# KiCad board mse-68-vhdci-panel.kicad_pcb
title: Squishy - SCSI LVD/MSE/SE VHDCI Connector Module; date: 2024-09-17; rev: 1; company: Shrine Maiden Heavy Industries; note: License: CERN-OHL-S; note: © 2024 Aki 'lethalbit' Van Ness, et. al.; note: No warranty expressed or implied; note: Squishy - SCSI Multitool
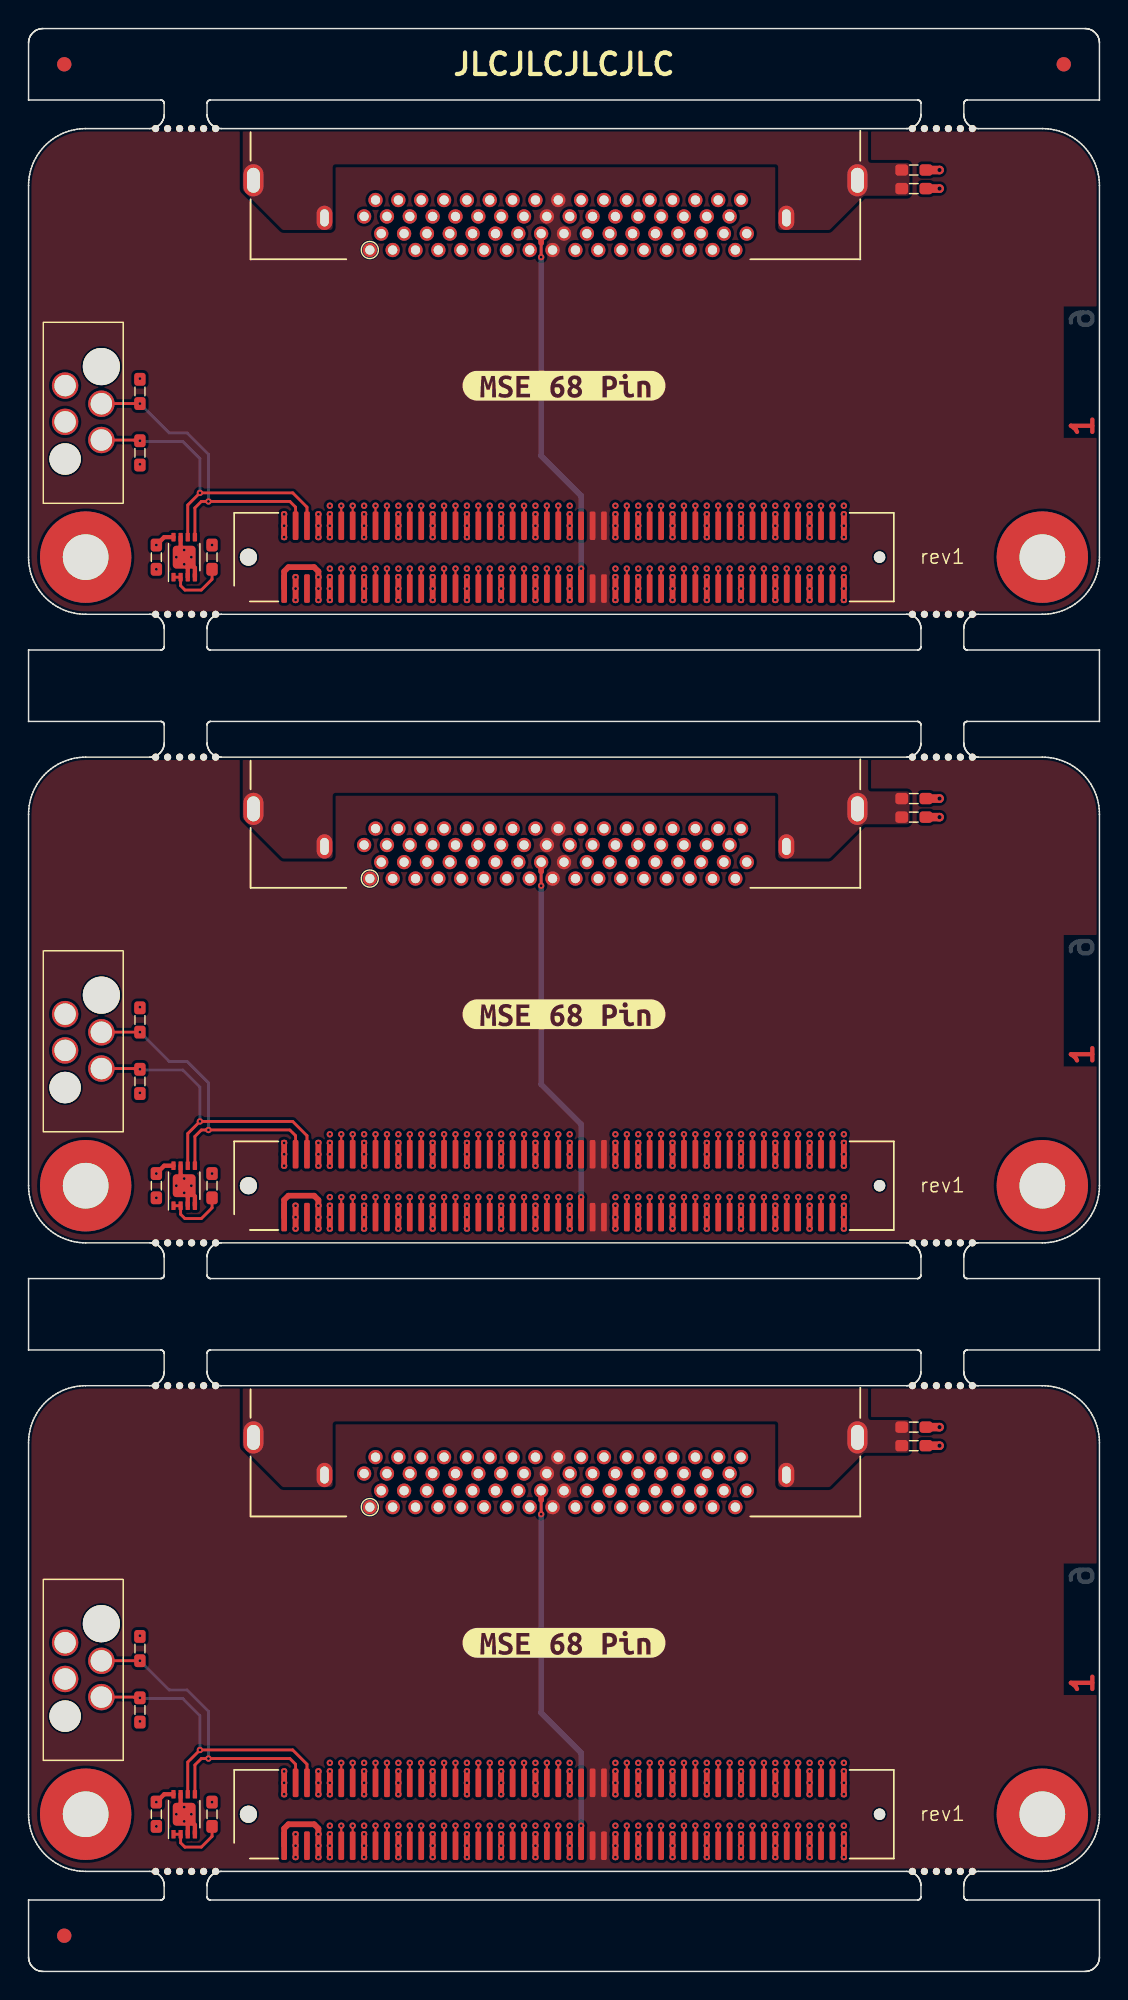
[diagram p0: board, top side]
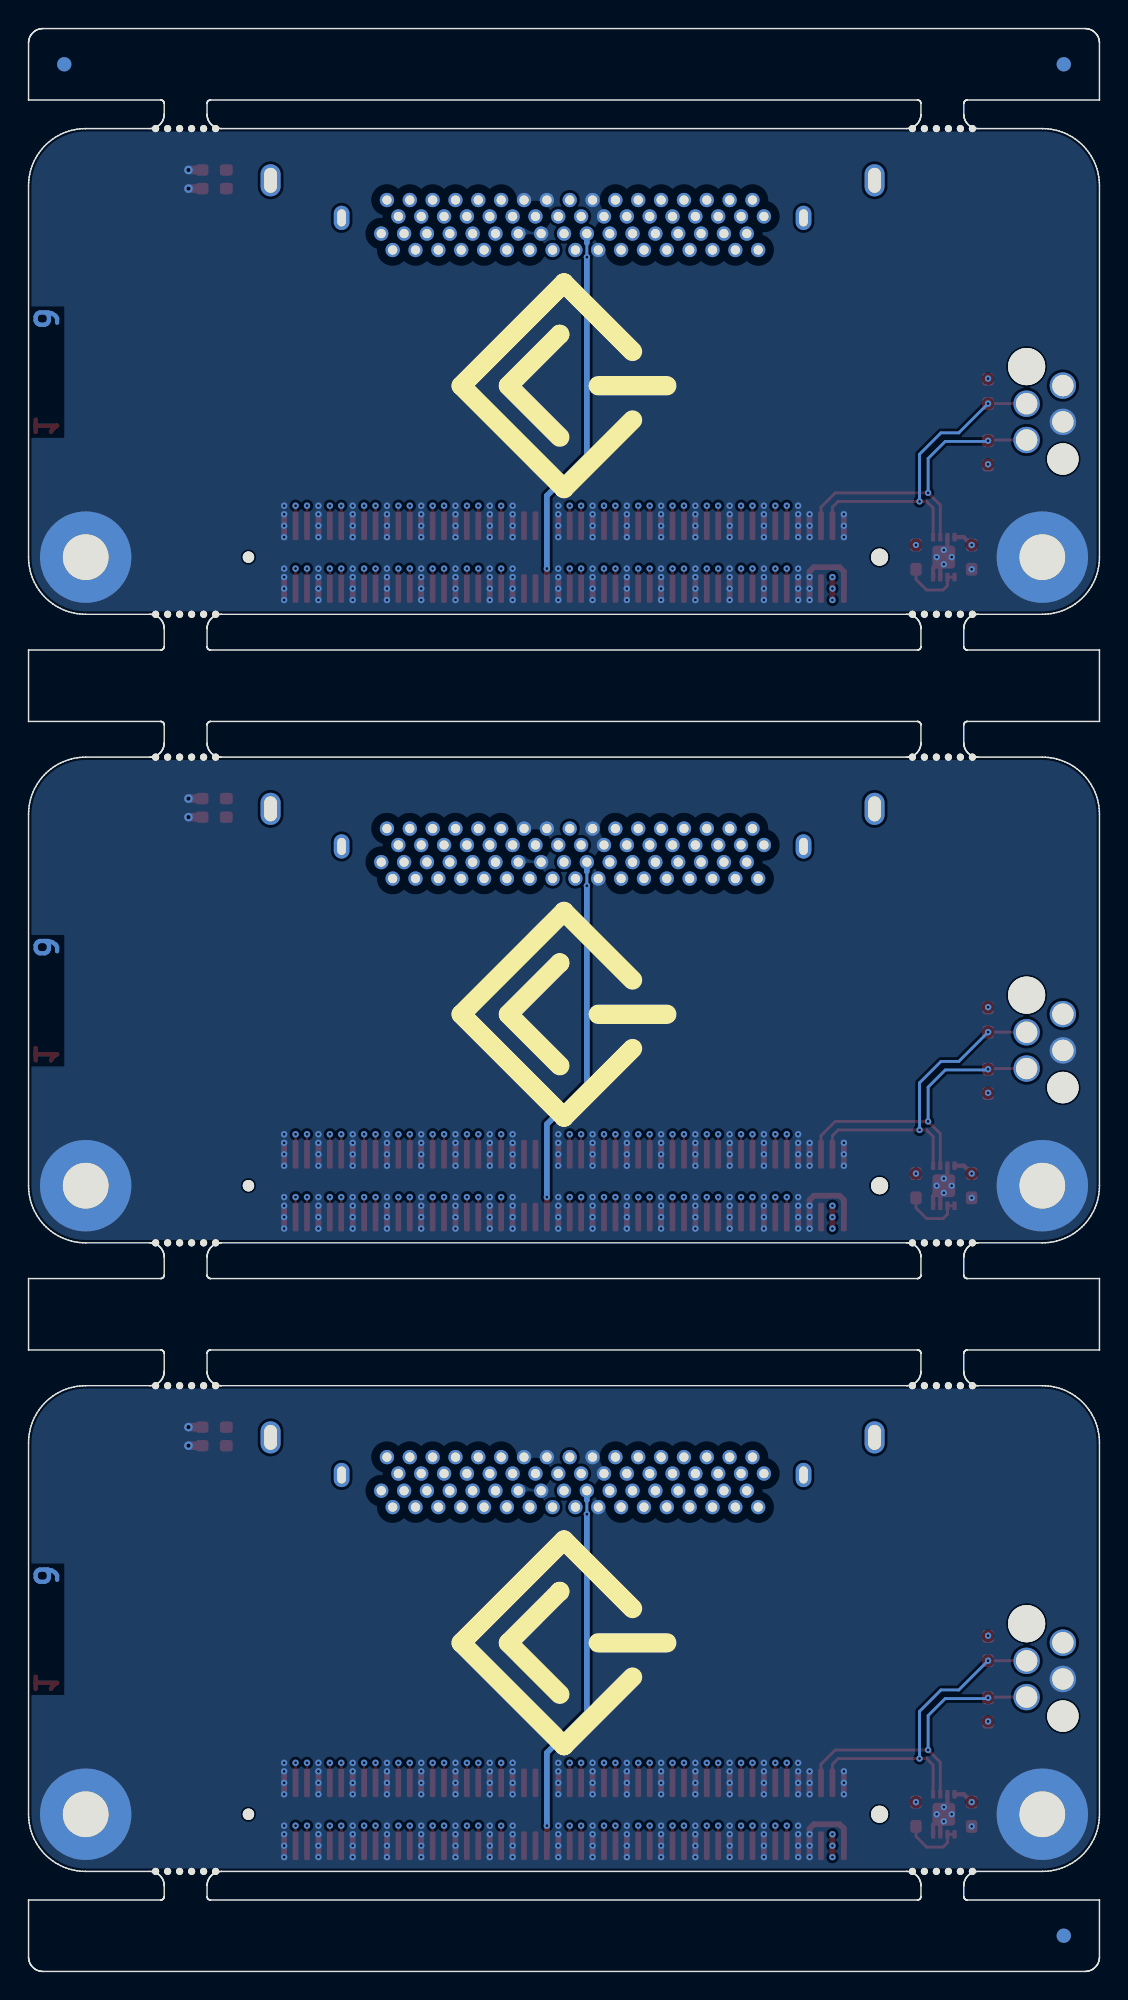
[diagram p1: board, bottom side, seen from below]

Outline 75 x 136 mm; copper layers: Top, In1.Cu, In2.Cu, In3.Cu, In4.Cu, Bottom. Coordinates in mm from the lower left corner of the outline.
Stack: Top 0.035mm / dielectric 0.2104mm FR4 er 4.4 / In1.Cu 0.0152mm / dielectric 0.4mm FR4 er 4.5 / In2.Cu 0.0152mm / dielectric 0.2028mm FR4 er 4.4 / In3.Cu 0.0152mm / dielectric 0.4mm FR4 er 4.6 / In4.Cu 0.0152mm / dielectric 0.2104mm FR4 er 4.4 / Bottom 0.035mm

## Placement (name value [footprint] x y rotation side)
C1  100n  [C0603]  8.95 11 90 top
C1#2  100n  [C0603]  8.95 99 90 top
C1#3  100n  [C0603]  8.95 55 90 top
C2  100n  [C0603]  62 38.1 180 top
C2#2  100n  [C0603]  62 126.1 180 top
C2#3  100n  [C0603]  62 82.1 180 top
H3  MountingHole  [MountingHole_3.2mm_M3_Pad]  4 11 0 top
H3#2  MountingHole  [MountingHole_3.2mm_M3_Pad]  4 99 0 top
H3#3  MountingHole  [MountingHole_3.2mm_M3_Pad]  4 55 0 top
H4  MountingHole  [MountingHole_3.2mm_M3_Pad]  71 11 0 top
H4#2  MountingHole  [MountingHole_3.2mm_M3_Pad]  71 99 0 top
H4#3  MountingHole  [MountingHole_3.2mm_M3_Pad]  71 55 0 top
J1  SCSI PHY Mezz  [1014457-10x80xLF]  37.5 11 180 top
J1#2  SCSI PHY Mezz  [1014457-10x80xLF]  37.5 99 180 top
J1#3  SCSI PHY Mezz  [1014457-10x80xLF]  37.5 55 180 top
J3  Conn_01x04  [490107670412-d]  2.56 111.01 90 top
J3#2  Conn_01x04  [490107670412-d]  2.56 67.01 90 top
J3#3  Conn_01x04  [490107670412-d]  2.56 23.01 90 top
J4  5796055-1  [5796055]  37.5 34.29 180 top
J4#2  5796055-1  [5796055]  37.5 122.29 180 top
J4#3  5796055-1  [5796055]  37.5 78.29 180 top
kibuzzard-672C6177  G***  [kibuzzard-672C6177]  37.5 67 0 top
kibuzzard-672C6177#2  G***  [kibuzzard-672C6177]  37.5 23 0 top
kibuzzard-672C6177#3  G***  [kibuzzard-672C6177]  37.5 111 0 top
KiKit_FID_B_1  -  [Fiducial]  2.5 133.5 0 bottom
KiKit_FID_B_2  -  [Fiducial]  72.5 133.5 0 bottom
KiKit_FID_B_3  -  [Fiducial]  2.5 2.5 0 bottom
KiKit_FID_T_1  -  [Fiducial]  2.5 133.5 0 top
KiKit_FID_T_2  -  [Fiducial]  72.5 133.5 0 top
KiKit_FID_T_3  -  [Fiducial]  2.5 2.5 0 top
KiKit_MB_1_1  -  [NPTH]  66.1 95 0 top
KiKit_MB_1_2  -  [NPTH]  65.26 95 0 top
KiKit_MB_1_3  -  [NPTH]  64.42 95 0 top
KiKit_MB_1_4  -  [NPTH]  63.58 95 0 top
KiKit_MB_1_5  -  [NPTH]  62.74 95 0 top
KiKit_MB_1_6  -  [NPTH]  61.9 95 0 top
KiKit_MB_2_1  -  [NPTH]  8.9 129 0 top
KiKit_MB_2_2  -  [NPTH]  9.74 129 0 top
KiKit_MB_2_3  -  [NPTH]  10.58 129 0 top
KiKit_MB_2_4  -  [NPTH]  11.42 129 0 top
KiKit_MB_2_5  -  [NPTH]  12.26 129 0 top
KiKit_MB_2_6  -  [NPTH]  13.1 129 0 top
KiKit_MB_3_1  -  [NPTH]  61.9 129 0 top
KiKit_MB_3_2  -  [NPTH]  62.74 129 0 top
KiKit_MB_3_3  -  [NPTH]  63.58 129 0 top
KiKit_MB_3_4  -  [NPTH]  64.42 129 0 top
KiKit_MB_3_5  -  [NPTH]  65.26 129 0 top
KiKit_MB_3_6  -  [NPTH]  66.1 129 0 top
KiKit_MB_4_1  -  [NPTH]  13.1 95 0 top
KiKit_MB_4_2  -  [NPTH]  12.26 95 0 top
KiKit_MB_4_3  -  [NPTH]  11.42 95 0 top
KiKit_MB_4_4  -  [NPTH]  10.58 95 0 top
KiKit_MB_4_5  -  [NPTH]  9.74 95 0 top
KiKit_MB_4_6  -  [NPTH]  8.9 95 0 top
KiKit_MB_5_1  -  [NPTH]  66.1 51 0 top
KiKit_MB_5_2  -  [NPTH]  65.26 51 0 top
KiKit_MB_5_3  -  [NPTH]  64.42 51 0 top
KiKit_MB_5_4  -  [NPTH]  63.58 51 0 top
KiKit_MB_5_5  -  [NPTH]  62.74 51 0 top
KiKit_MB_5_6  -  [NPTH]  61.9 51 0 top
KiKit_MB_6_1  -  [NPTH]  8.9 85 0 top
KiKit_MB_6_2  -  [NPTH]  9.74 85 0 top
KiKit_MB_6_3  -  [NPTH]  10.58 85 0 top
KiKit_MB_6_4  -  [NPTH]  11.42 85 0 top
KiKit_MB_6_5  -  [NPTH]  12.26 85 0 top
KiKit_MB_6_6  -  [NPTH]  13.1 85 0 top
KiKit_MB_7_1  -  [NPTH]  61.9 85 0 top
KiKit_MB_7_2  -  [NPTH]  62.74 85 0 top
KiKit_MB_7_3  -  [NPTH]  63.58 85 0 top
KiKit_MB_7_4  -  [NPTH]  64.42 85 0 top
KiKit_MB_7_5  -  [NPTH]  65.26 85 0 top
KiKit_MB_7_6  -  [NPTH]  66.1 85 0 top
KiKit_MB_8_1  -  [NPTH]  13.1 51 0 top
KiKit_MB_8_2  -  [NPTH]  12.26 51 0 top
KiKit_MB_8_3  -  [NPTH]  11.42 51 0 top
KiKit_MB_8_4  -  [NPTH]  10.58 51 0 top
KiKit_MB_8_5  -  [NPTH]  9.74 51 0 top
KiKit_MB_8_6  -  [NPTH]  8.9 51 0 top
KiKit_MB_9_1  -  [NPTH]  66.1 7 0 top
KiKit_MB_9_2  -  [NPTH]  65.26 7 0 top
KiKit_MB_9_3  -  [NPTH]  64.42 7 0 top
KiKit_MB_9_4  -  [NPTH]  63.58 7 0 top
KiKit_MB_9_5  -  [NPTH]  62.74 7 0 top
KiKit_MB_9_6  -  [NPTH]  61.9 7 0 top
KiKit_MB_10_1  -  [NPTH]  8.9 41 0 top
KiKit_MB_10_2  -  [NPTH]  9.74 41 0 top
KiKit_MB_10_3  -  [NPTH]  10.58 41 0 top
KiKit_MB_10_4  -  [NPTH]  11.42 41 0 top
KiKit_MB_10_5  -  [NPTH]  12.26 41 0 top
KiKit_MB_10_6  -  [NPTH]  13.1 41 0 top
KiKit_MB_11_1  -  [NPTH]  61.9 41 0 top
KiKit_MB_11_2  -  [NPTH]  62.74 41 0 top
KiKit_MB_11_3  -  [NPTH]  63.58 41 0 top
KiKit_MB_11_4  -  [NPTH]  64.42 41 0 top
KiKit_MB_11_5  -  [NPTH]  65.26 41 0 top
KiKit_MB_11_6  -  [NPTH]  66.1 41 0 top
KiKit_MB_12_1  -  [NPTH]  13.1 7 0 top
KiKit_MB_12_2  -  [NPTH]  12.26 7 0 top
KiKit_MB_12_3  -  [NPTH]  11.42 7 0 top
KiKit_MB_12_4  -  [NPTH]  10.58 7 0 top
KiKit_MB_12_5  -  [NPTH]  9.74 7 0 top
KiKit_MB_12_6  -  [NPTH]  8.9 7 0 top
R1  10k  [R0603]  12.85 55 90 top
R1#2  10k  [R0603]  12.85 11 90 top
R1#3  10k  [R0603]  12.85 99 90 top
R2  4k7  [R0603]  7.8 110.6 270 top
R2#2  4k7  [R0603]  7.8 66.6 270 top
R2#3  4k7  [R0603]  7.8 22.6 270 top
R3  4k7  [R0603]  7.8 62.3 90 top
R3#2  4k7  [R0603]  7.8 106.3 90 top
R3#3  4k7  [R0603]  7.8 18.3 90 top
R4  1M  [R0603]  62 80.8 0 top
R4#2  1M  [R0603]  62 124.8 0 top
R4#3  1M  [R0603]  62 36.8 0 top
U1  M24C02-RMC  [ST_UFDFPN-8-1EP_2x3mm_P0.5mm_EP1.6x1.6mm]  10.9 99 90 top
U1#2  M24C02-RMC  [ST_UFDFPN-8-1EP_2x3mm_P0.5mm_EP1.6x1.6mm]  10.9 11 90 top
U1#3  M24C02-RMC  [ST_UFDFPN-8-1EP_2x3mm_P0.5mm_EP1.6x1.6mm]  10.9 55 90 top

## Library data of the parts
C1 C1#2 C1#3 C2 C2#2 C2#3 = -: Datasheet: https://content.kemet.com/datasheets/KEM_C1006_X5R_SMD.pdf; MFR: KEMET; MPN: C0603C104M5RACTU; Tolerance: ±20% 50V; SUPPLIER: DigiKey; SUPPLIER_OC: 399-C0603C104M5RAC7867DKR-ND; SUPPLIER_URL: https://www.digikey.com/short/8nqzrr4b
H3 H3#2 H3#3 H4 H4#2 H4#3 = -: MFR: N/A; MPN: N/A
J1 J1#2 J1#3 = -: Datasheet: https://mm.digikey.com/Volume0/opasdata/d220001/medias/docus/6243/609_10144517.pdf; MFR: Amphenol ICC (FCI); MPN: 10144517-102802LF; SUPPLIER: DigiKey; SUPPLIER_OC: 609-5442-1-ND; SUPPLIER_URL: https://www.digikey.com/short/h831vwdf
J3 J3#2 J3#3 = -: Description: Generic connector, single row, 01x04, script generated (kicad-library-utils/schlib/autogen/connector/)
J4 J4#2 J4#3 = -: Datasheet: https://www.te.com/commerce/DocumentDelivery/DDEController?Action=showdoc&DocId=Specification+Or+Standard%7F114-6057%7FD%7Fpdf%7FEnglish%7FENG_SS_114-6057_D.pdf%7F5796055-1; Description: CHAMP 0.8mm Right Angle 68-pin VHDCI Connector; MFR: TE Connectivity; URL: https://www.te.com/en/product-5796055-1.html
R1 R1#2 R1#3 = -: Datasheet: https://www.vishay.com/docs/20035/dcrcwe3.pdf; MFR: Vishay Dale; MPN: CRCW060310K0FKEA; Tolerance: ±1% 1/10W; SUPPLIER: DigiKey; SUPPLIER_OC: 541-10.0KHDKR-ND; SUPPLIER_URL: https://www.digikey.com/short/478v2810
R2 R2#2 R2#3 R3 R3#2 R3#3 = -: Datasheet: https://www.vishay.com/docs/20035/dcrcwe3.pdf; MFR: Vishay Dale; MPN: CRCW06034K70FKEA; Tolerance: ±1% 1/10W; SUPPLIER: DigiKey; SUPPLIER_OC: 541-4.70KHDKR-ND; SUPPLIER_URL: https://www.digikey.com/short/f3fq37nd
R4 R4#2 R4#3 = -: SUPPLIER: DigiKey
U1 U1#2 U1#3 = -: Datasheet: https://www.st.com/content/ccc/resource/technical/document/datasheet/b0/d8/50/40/5a/85/49/6f/DM00071904.pdf/files/DM00071904.pdf/jcr:content/translations/en.DM00071904.pdf; Description: 2Kb (256x8) I2C Serial EEPROM, 1.8-5.5V,  UFDFPN8

## Footprints (pads in the part's own frame, mm; a bottom-side part is the same pattern mirrored in y, then rotated)
1014457-10x80xLF
  round 0.8 hole 0.8 unplated: (-22.1,0)
  round 1.2 hole 1.2 unplated: (22.1,0)
  rrect 0.4x2 smd: 1(19.6,2.2) 2(19.6,-2.2) 3(18.8,2.2) 4(18.8,-2.2) 5(18,2.2) 6(18,-2.2) 7(17.2,2.2) 8(17.2,-2.2) 9(16.4,2.2) 10(16.4,-2.2) 11(15.6,2.2) 12(15.6,-2.2) 13(14.8,2.2) 14(14.8,-2.2) 15(14,2.2) 16(14,-2.2) 17(13.2,2.2) 18(13.2,-2.2) 19(12.4,2.2) 20(12.4,-2.2) 21(11.6,2.2) 22(11.6,-2.2) 23(10.8,2.2) 24(10.8,-2.2) 25(10,2.2) 26(10,-2.2) 27(9.2,2.2) 28(9.2,-2.2) 29(8.4,2.2) 30(8.4,-2.2) 31(7.6,2.2) 32(7.6,-2.2) 33(6.8,2.2) 34(6.8,-2.2) 35(6,2.2) 36(6,-2.2) 37(5.2,2.2) 38(5.2,-2.2) 39(4.4,2.2) 40(4.4,-2.2) 41(3.6,2.2) 42(3.6,-2.2) 43(2.8,2.2) 44(2.8,-2.2) 45(2,2.2) 46(2,-2.2) 47(1.2,2.2) 48(1.2,-2.2) 49(0.4,2.2) 50(0.4,-2.2) 51(-0.4,2.2) 52(-0.4,-2.2) 53(-1.2,2.2) 54(-1.2,-2.2) 55(-2,2.2) 56(-2,-2.2) 57(-2.8,2.2) 58(-2.8,-2.2) 59(-3.6,2.2) 60(-3.6,-2.2) 61(-4.4,2.2) 62(-4.4,-2.2) 63(-5.2,2.2) 64(-5.2,-2.2) 65(-6,2.2) 66(-6,-2.2) 67(-6.8,2.2) 68(-6.8,-2.2) 69(-7.6,2.2) 70(-7.6,-2.2) 71(-8.4,2.2) 72(-8.4,-2.2) 73(-9.2,2.2) 74(-9.2,-2.2) 75(-10,2.2) 76(-10,-2.2) 77(-10.8,2.2) 78(-10.8,-2.2) 79(-11.6,2.2) 80(-11.6,-2.2) 81(-12.4,2.2) 82(-12.4,-2.2) 83(-13.2,2.2) 84(-13.2,-2.2) 85(-14,2.2) 86(-14,-2.2) 87(-14.8,2.2) 88(-14.8,-2.2) 89(-15.6,2.2) 90(-15.6,-2.2) 91(-16.4,2.2) 92(-16.4,-2.2) 93(-17.2,2.2) 94(-17.2,-2.2) 95(-18,2.2) 96(-18,-2.2) 97(-18.8,2.2) 98(-18.8,-2.2) 99(-19.6,2.2) 100(-19.6,-2.2)
5796055
  round 1 hole 0.65: 1(13.6,1.785) 2(12.8,0.635) 3(12,1.785) 4(11.2,0.635) 5(10.4,1.785) 6(9.6,0.635) 7(8.8,1.785) 8(8,0.635) 9(7.2,1.785) 10(6.4,0.635) 11(5.6,1.785) 12(4.8,0.635) 13(4,1.785) 14(3.2,0.635) 15(2.4,1.785) 16(1.6,0.635) 17(0.8,1.785) 18(0,0.635) 19(-0.8,1.785) 20(-1.6,0.635) 21(-2.4,1.785) 22(-3.2,0.635) 23(-4,1.785) 24(-4.8,0.635) 25(-5.6,1.785) 26(-6.4,0.635) 27(-7.2,1.785) 28(-8,0.635) 29(-8.8,1.785) 30(-9.6,0.635) 31(-10.4,1.785) 32(-11.2,0.635) 33(-12,1.785) 34(-12.8,0.635) 35(14,-0.565) 36(13.2,-1.715) 37(12.4,-0.565) 38(11.6,-1.715) 39(10.8,-0.565) 40(10,-1.715) 41(9.2,-0.565) 42(8.4,-1.715) 43(7.6,-0.565) 44(6.8,-1.715) 45(6,-0.565) 46(5.2,-1.715) 47(4.4,-0.565) 48(3.6,-1.715) 49(2.8,-0.565) 50(2,-1.715) 51(1.2,-0.565) 52(0.4,-1.715) 53(-0.4,-0.565) 54(-1.2,-1.715) 55(-2,-0.565) 56(-2.8,-1.715) 57(-3.6,-0.565) 58(-4.4,-1.715) 59(-5.2,-0.565) 60(-6,-1.715) 61(-6.8,-0.565) 62(-7.6,-1.715) 63(-8.4,-0.565) 64(-9.2,-1.715) 65(-10,-0.565) 66(-10.8,-1.715) 67(-11.6,-0.565) 68(-12.4,-1.715)
  oval 1.4x2.25 hole 0.9x1.75: SHIELD(-20.55,-3.095) SHIELD(21.75,-3.095)
  oval 1.1x1.7 hole 0.6x1.2: SHIELD(-15.575,-0.465) SHIELD(16.775,-0.465)
490107670412-d
  round 2.2 hole 2.2 unplated: (-5.14,0)
  round 2.6 hole 2.6 unplated: (1.33,-2.54)
  round 1.85 hole 1.5: 1(0,0) 2(-1.27,-2.54) 3(-2.54,0) 4(-3.81,-2.54)
C0603
  rrect 0.9x0.8 smd: 1(-0.85,0) 2(0.85,0)
Fiducial
  round 1 smd: (0,0)
MountingHole_3.2mm_M3_Pad
  round 6.4 hole 3.2: 1(0,0)
NPTH
  round 0.5 hole 0.5 unplated: (0,0)
R0603
  rrect 0.9x0.8 smd: 1(-0.85,0) 2(0.85,0)
ST_UFDFPN-8-1EP_2x3mm_P0.5mm_EP1.6x1.6mm
  rrect 0.5x0.5 smd: (-0.45,0.45) (-0.45,-0.45) (0,0) (0.45,0.45) (0.45,-0.45)
  rrect 0.6x0.3 smd: 1(-1.4,0.75) 2(-1.4,0.25) 3(-1.4,-0.25) 4(-1.4,-0.75) 5(1.4,-0.75) 6(1.4,-0.25) 7(1.4,0.25) 8(1.4,0.75)
  rrect 1.6x1.6 smd: EP(0,0)

## Nets
Board_0-+3V3: C1#2.2 J1#2.3 J3.1 R1#3.2 R2.1 R3#2.1 U1.8
Board_0-/CON.ACK+: J1#2.67 J4#2.24
Board_0-/CON.ACK-: J1#2.68 J4#2.58
Board_0-/CON.ATN+: J1#2.61 J4#2.21
Board_0-/CON.ATN-: J1#2.62 J4#2.55
Board_0-/CON.BSY+: J1#2.65 J4#2.23
Board_0-/CON.BSY-: J1#2.66 J4#2.57
Board_0-/CON.C/D+: J1#2.79 J4#2.28
Board_0-/CON.C/D-: J1#2.80 J4#2.62
Board_0-/CON.DB0+: J1#2.25 J4#2.6
Board_0-/CON.DB0-: J1#2.26 J4#2.40
Board_0-/CON.DB1+: J1#2.29 J4#2.7
Board_0-/CON.DB1-: J1#2.30 J4#2.41
Board_0-/CON.DB2+: J1#2.31 J4#2.8
Board_0-/CON.DB2-: J1#2.32 J4#2.42
Board_0-/CON.DB3+: J1#2.35 J4#2.9
Board_0-/CON.DB3-: J1#2.36 J4#2.43
Board_0-/CON.DB4+: J1#2.37 J4#2.10
Board_0-/CON.DB4-: J1#2.38 J4#2.44
Board_0-/CON.DB5+: J1#2.41 J4#2.11
Board_0-/CON.DB5-: J1#2.42 J4#2.45
Board_0-/CON.DB6+: J1#2.43 J4#2.12
Board_0-/CON.DB6-: J1#2.44 J4#2.46
Board_0-/CON.DB7+: J1#2.47 J4#2.13
Board_0-/CON.DB7-: J1#2.48 J4#2.47
Board_0-/CON.DB8+: J1#2.89 J4#2.31
Board_0-/CON.DB8-: J1#2.90 J4#2.65
Board_0-/CON.DB9+: J1#2.91 J4#2.32
Board_0-/CON.DB9-: J1#2.92 J4#2.66
Board_0-/CON.DB10+: J1#2.95 J4#2.33
Board_0-/CON.DB10-: J1#2.96 J4#2.67
Board_0-/CON.DB11+: J1#2.97 J4#2.34
Board_0-/CON.DB11-: J1#2.98 J4#2.68
Board_0-/CON.DB12+: J1#2.11 J4#2.1
Board_0-/CON.DB12-: J1#2.12 J4#2.35
Board_0-/CON.DB13+: J1#2.13 J4#2.2
Board_0-/CON.DB13-: J1#2.14 J4#2.36
Board_0-/CON.DB14+: J1#2.17 J4#2.3
Board_0-/CON.DB14-: J1#2.18 J4#2.37
Board_0-/CON.DB15+: J1#2.19 J4#2.4
Board_0-/CON.DB15-: J1#2.20 J4#2.38
Board_0-/CON.DIFFSENSE: J1#2.53 J4#2.16
Board_0-/CON.DP0+: J1#2.49 J4#2.14
Board_0-/CON.DP0-: J1#2.50 J4#2.48
Board_0-/CON.DP1+: J1#2.23 J4#2.5
Board_0-/CON.DP1-: J1#2.24 J4#2.39
Board_0-/CON.I/O+: J1#2.85 J4#2.30
Board_0-/CON.I/O-: J1#2.86 J4#2.64
Board_0-/CON.MSG+: J1#2.73 J4#2.26
Board_0-/CON.MSG-: J1#2.74 J4#2.60
Board_0-/CON.REQ+: J1#2.83 J4#2.29
Board_0-/CON.REQ-: J1#2.84 J4#2.63
Board_0-/CON.RST+: J1#2.71 J4#2.25
Board_0-/CON.RST-: J1#2.72 J4#2.59
Board_0-/CON.SEL+: J1#2.77 J4#2.27
Board_0-/CON.SEL-: J1#2.78 J4#2.61
Board_0-/CON.TERMPWR: J1#2.55 J1#2.56 J1#2.57 J1#2.58 J4#2.17 J4#2.18 J4#2.51 J4#2.52
Board_0-/PHY.ID_SCL: J1#2.6 J3.4 R3#2.2 U1.6
Board_0-/PHY.ID_SDA: J1#2.4 J3.2 R2.2 U1.5
Board_0-/SHIELD: C2#2.2 J4#2.SHIELD R4#2.1
Board_0-GND: C1#2.1 C2#2.1 H3#2.1 H4#2.1 J1#2.1 J1#2.2 J1#2.7 J1#2.8 J1#2.9 J1#2.10 J1#2.15 J1#2.16 J1#2.21 J1#2.22 J1#2.27 J1#2.28 J1#2.33 J1#2.34 J1#2.39 J1#2.40 J1#2.45 J1#2.46 J1#2.51 J1#2.52 J1#2.59 J1#2.60 J1#2.63 J1#2.64 J1#2.69 J1#2.70 J1#2.75 J1#2.76 J1#2.81 J1#2.82 J1#2.87 J1#2.88 J1#2.93 J1#2.94 J1#2.99 J1#2.100 J3.3 J4#2.15 J4#2.20 J4#2.22 J4#2.49 J4#2.50 J4#2.54 J4#2.56 R4#2.2 U1.3 U1.4 U1.7 U1.EP
Board_0-Net-(U1-E0): R1#3.1 U1.1 U1.2
Board_0-unconnected-(J1-Pin_5-Pad5): J1#2.5
Board_0-unconnected-(J1-Pin_54-Pad54): J1#2.54
Board_0-unconnected-(J4-Pin_19-Pad19): J4#2.19
Board_0-unconnected-(J4-Pin_53-Pad53): J4#2.53
Board_1-+3V3: C1#3.2 J1#3.3 J3#2.1 R1.2 R2#2.1 R3.1 U1#3.8
Board_1-/CON.ACK+: J1#3.67 J4#3.24
Board_1-/CON.ACK-: J1#3.68 J4#3.58
Board_1-/CON.ATN+: J1#3.61 J4#3.21
Board_1-/CON.ATN-: J1#3.62 J4#3.55
Board_1-/CON.BSY+: J1#3.65 J4#3.23
Board_1-/CON.BSY-: J1#3.66 J4#3.57
Board_1-/CON.C/D+: J1#3.79 J4#3.28
Board_1-/CON.C/D-: J1#3.80 J4#3.62
Board_1-/CON.DB0+: J1#3.25 J4#3.6
Board_1-/CON.DB0-: J1#3.26 J4#3.40
Board_1-/CON.DB1+: J1#3.29 J4#3.7
Board_1-/CON.DB1-: J1#3.30 J4#3.41
Board_1-/CON.DB2+: J1#3.31 J4#3.8
Board_1-/CON.DB2-: J1#3.32 J4#3.42
Board_1-/CON.DB3+: J1#3.35 J4#3.9
Board_1-/CON.DB3-: J1#3.36 J4#3.43
Board_1-/CON.DB4+: J1#3.37 J4#3.10
Board_1-/CON.DB4-: J1#3.38 J4#3.44
Board_1-/CON.DB5+: J1#3.41 J4#3.11
Board_1-/CON.DB5-: J1#3.42 J4#3.45
Board_1-/CON.DB6+: J1#3.43 J4#3.12
Board_1-/CON.DB6-: J1#3.44 J4#3.46
Board_1-/CON.DB7+: J1#3.47 J4#3.13
Board_1-/CON.DB7-: J1#3.48 J4#3.47
Board_1-/CON.DB8+: J1#3.89 J4#3.31
Board_1-/CON.DB8-: J1#3.90 J4#3.65
Board_1-/CON.DB9+: J1#3.91 J4#3.32
Board_1-/CON.DB9-: J1#3.92 J4#3.66
Board_1-/CON.DB10+: J1#3.95 J4#3.33
Board_1-/CON.DB10-: J1#3.96 J4#3.67
Board_1-/CON.DB11+: J1#3.97 J4#3.34
Board_1-/CON.DB11-: J1#3.98 J4#3.68
Board_1-/CON.DB12+: J1#3.11 J4#3.1
Board_1-/CON.DB12-: J1#3.12 J4#3.35
Board_1-/CON.DB13+: J1#3.13 J4#3.2
Board_1-/CON.DB13-: J1#3.14 J4#3.36
Board_1-/CON.DB14+: J1#3.17 J4#3.3
Board_1-/CON.DB14-: J1#3.18 J4#3.37
Board_1-/CON.DB15+: J1#3.19 J4#3.4
Board_1-/CON.DB15-: J1#3.20 J4#3.38
Board_1-/CON.DIFFSENSE: J1#3.53 J4#3.16
Board_1-/CON.DP0+: J1#3.49 J4#3.14
Board_1-/CON.DP0-: J1#3.50 J4#3.48
Board_1-/CON.DP1+: J1#3.23 J4#3.5
Board_1-/CON.DP1-: J1#3.24 J4#3.39
Board_1-/CON.I/O+: J1#3.85 J4#3.30
Board_1-/CON.I/O-: J1#3.86 J4#3.64
Board_1-/CON.MSG+: J1#3.73 J4#3.26
Board_1-/CON.MSG-: J1#3.74 J4#3.60
Board_1-/CON.REQ+: J1#3.83 J4#3.29
Board_1-/CON.REQ-: J1#3.84 J4#3.63
Board_1-/CON.RST+: J1#3.71 J4#3.25
Board_1-/CON.RST-: J1#3.72 J4#3.59
Board_1-/CON.SEL+: J1#3.77 J4#3.27
Board_1-/CON.SEL-: J1#3.78 J4#3.61
Board_1-/CON.TERMPWR: J1#3.55 J1#3.56 J1#3.57 J1#3.58 J4#3.17 J4#3.18 J4#3.51 J4#3.52
Board_1-/PHY.ID_SCL: J1#3.6 J3#2.4 R3.2 U1#3.6
Board_1-/PHY.ID_SDA: J1#3.4 J3#2.2 R2#2.2 U1#3.5
Board_1-/SHIELD: C2#3.2 J4#3.SHIELD R4.1
Board_1-GND: C1#3.1 C2#3.1 H3#3.1 H4#3.1 J1#3.1 J1#3.2 J1#3.7 J1#3.8 J1#3.9 J1#3.10 J1#3.15 J1#3.16 J1#3.21 J1#3.22 J1#3.27 J1#3.28 J1#3.33 J1#3.34 J1#3.39 J1#3.40 J1#3.45 J1#3.46 J1#3.51 J1#3.52 J1#3.59 J1#3.60 J1#3.63 J1#3.64 J1#3.69 J1#3.70 J1#3.75 J1#3.76 J1#3.81 J1#3.82 J1#3.87 J1#3.88 J1#3.93 J1#3.94 J1#3.99 J1#3.100 J3#2.3 J4#3.15 J4#3.20 J4#3.22 J4#3.49 J4#3.50 J4#3.54 J4#3.56 R4.2 U1#3.3 U1#3.4 U1#3.7 U1#3.EP
Board_1-Net-(U1-E0): R1.1 U1#3.1 U1#3.2
Board_1-unconnected-(J1-Pin_5-Pad5): J1#3.5
Board_1-unconnected-(J1-Pin_54-Pad54): J1#3.54
Board_1-unconnected-(J4-Pin_19-Pad19): J4#3.19
Board_1-unconnected-(J4-Pin_53-Pad53): J4#3.53
Board_2-+3V3: C1.2 J1.3 J3#3.1 R1#2.2 R2#3.1 R3#3.1 U1#2.8
Board_2-/CON.ACK+: J1.67 J4.24
Board_2-/CON.ACK-: J1.68 J4.58
Board_2-/CON.ATN+: J1.61 J4.21
Board_2-/CON.ATN-: J1.62 J4.55
Board_2-/CON.BSY+: J1.65 J4.23
Board_2-/CON.BSY-: J1.66 J4.57
Board_2-/CON.C/D+: J1.79 J4.28
Board_2-/CON.C/D-: J1.80 J4.62
Board_2-/CON.DB0+: J1.25 J4.6
Board_2-/CON.DB0-: J1.26 J4.40
Board_2-/CON.DB1+: J1.29 J4.7
Board_2-/CON.DB1-: J1.30 J4.41
Board_2-/CON.DB2+: J1.31 J4.8
Board_2-/CON.DB2-: J1.32 J4.42
Board_2-/CON.DB3+: J1.35 J4.9
Board_2-/CON.DB3-: J1.36 J4.43
Board_2-/CON.DB4+: J1.37 J4.10
Board_2-/CON.DB4-: J1.38 J4.44
Board_2-/CON.DB5+: J1.41 J4.11
Board_2-/CON.DB5-: J1.42 J4.45
Board_2-/CON.DB6+: J1.43 J4.12
Board_2-/CON.DB6-: J1.44 J4.46
Board_2-/CON.DB7+: J1.47 J4.13
Board_2-/CON.DB7-: J1.48 J4.47
Board_2-/CON.DB8+: J1.89 J4.31
Board_2-/CON.DB8-: J1.90 J4.65
Board_2-/CON.DB9+: J1.91 J4.32
Board_2-/CON.DB9-: J1.92 J4.66
Board_2-/CON.DB10+: J1.95 J4.33
Board_2-/CON.DB10-: J1.96 J4.67
Board_2-/CON.DB11+: J1.97 J4.34
Board_2-/CON.DB11-: J1.98 J4.68
Board_2-/CON.DB12+: J1.11 J4.1
Board_2-/CON.DB12-: J1.12 J4.35
Board_2-/CON.DB13+: J1.13 J4.2
Board_2-/CON.DB13-: J1.14 J4.36
Board_2-/CON.DB14+: J1.17 J4.3
Board_2-/CON.DB14-: J1.18 J4.37
Board_2-/CON.DB15+: J1.19 J4.4
Board_2-/CON.DB15-: J1.20 J4.38
Board_2-/CON.DIFFSENSE: J1.53 J4.16
Board_2-/CON.DP0+: J1.49 J4.14
Board_2-/CON.DP0-: J1.50 J4.48
Board_2-/CON.DP1+: J1.23 J4.5
Board_2-/CON.DP1-: J1.24 J4.39
Board_2-/CON.I/O+: J1.85 J4.30
Board_2-/CON.I/O-: J1.86 J4.64
Board_2-/CON.MSG+: J1.73 J4.26
Board_2-/CON.MSG-: J1.74 J4.60
Board_2-/CON.REQ+: J1.83 J4.29
Board_2-/CON.REQ-: J1.84 J4.63
Board_2-/CON.RST+: J1.71 J4.25
Board_2-/CON.RST-: J1.72 J4.59
Board_2-/CON.SEL+: J1.77 J4.27
Board_2-/CON.SEL-: J1.78 J4.61
Board_2-/CON.TERMPWR: J1.55 J1.56 J1.57 J1.58 J4.17 J4.18 J4.51 J4.52
Board_2-/PHY.ID_SCL: J1.6 J3#3.4 R3#3.2 U1#2.6
Board_2-/PHY.ID_SDA: J1.4 J3#3.2 R2#3.2 U1#2.5
Board_2-/SHIELD: C2.2 J4.SHIELD R4#3.1
Board_2-GND: C1.1 C2.1 H3.1 H4.1 J1.1 J1.2 J1.7 J1.8 J1.9 J1.10 J1.15 J1.16 J1.21 J1.22 J1.27 J1.28 J1.33 J1.34 J1.39 J1.40 J1.45 J1.46 J1.51 J1.52 J1.59 J1.60 J1.63 J1.64 J1.69 J1.70 J1.75 J1.76 J1.81 J1.82 J1.87 J1.88 J1.93 J1.94 J1.99 J1.100 J3#3.3 J4.15 J4.20 J4.22 J4.49 J4.50 J4.54 J4.56 R4#3.2 U1#2.3 U1#2.4 U1#2.7 U1#2.EP
Board_2-Net-(U1-E0): R1#2.1 U1#2.1 U1#2.2
Board_2-unconnected-(J1-Pin_5-Pad5): J1.5
Board_2-unconnected-(J1-Pin_54-Pad54): J1.54
Board_2-unconnected-(J4-Pin_19-Pad19): J4.19
Board_2-unconnected-(J4-Pin_53-Pad53): J4.53

## Via types
v1: diameter 0.45, hole 0.2, Top to Bottom, 627 vias
v2: diameter 0.6, hole 0.3, Top to Bottom, 6 vias
